# Altium PCB BLDC_DRIVER_backup.PcbDoc (continued)
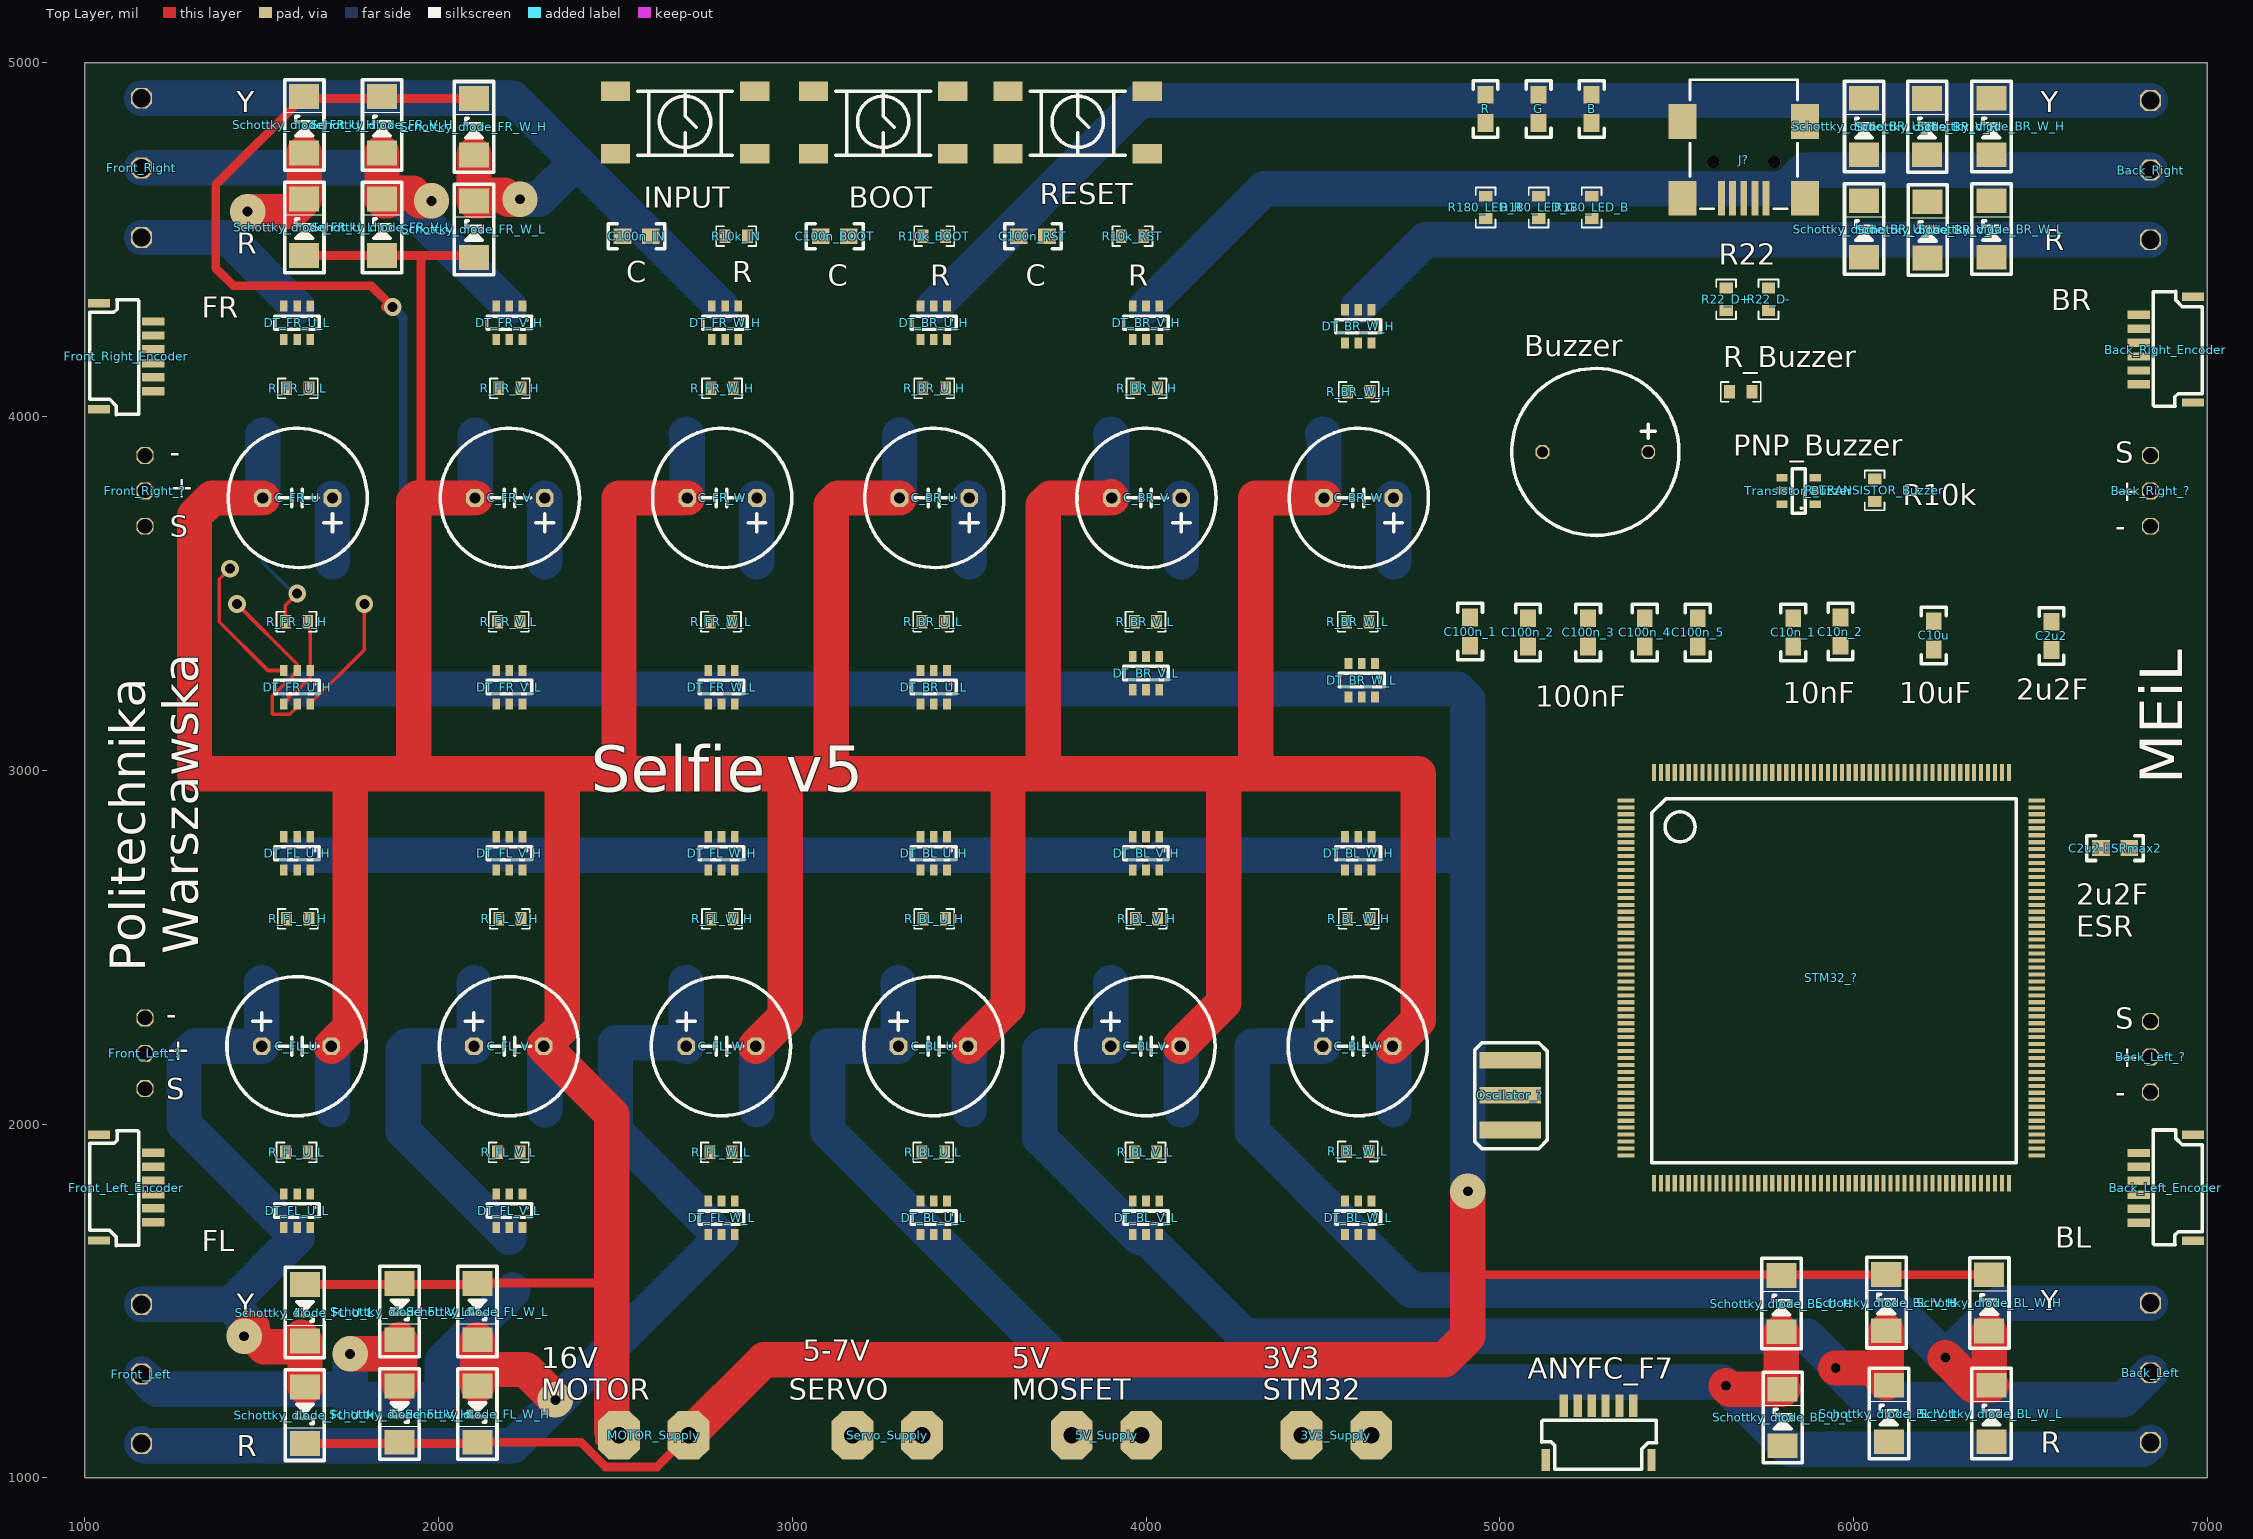
[diagram p0: Top Layer view]
## Components (designator, comment, footprint, x,y, rotation, side; value= is the part's Value field where it differs from the comment) (continued)
R_DT_BL_U_L "Res" R0603 5480,2800 r270 bottom
R_DT_BL_V_H "Res" R0603 5980,2350 r270 bottom
R_DT_BL_V_L "Res" R0603 5730,2800 r270 bottom
R_DT_BL_W_H "Res" R0603 5230,2800 r270 bottom
R_DT_BL_W_L "Res" R0603 5980,2800 r270 bottom
R_DT_BR_U_H "Res" R0603 5730,3700 r270 bottom
R_DT_BR_U_L "Res" R0603 5480,4150 r270 bottom
R_DT_BR_V_H "Res" R0603 5980,3700 r270 bottom
R_DT_BR_V_L "Res" R0603 5730,4150 r270 bottom
R_DT_BR_W_H "Res" R0603 5230,4150 r270 bottom
R_DT_BR_W_L "Res" R0603 5980,4150 r270 bottom
R_DT_FL_U_H "Res" R0603 5230,1900 r270 bottom
R_DT_FL_U_L "Res" R0603 5980,1900 r270 bottom
R_DT_FL_V_H "Res" R0603 5480,1900 r270 bottom
R_DT_FL_V_L "Res" R0603 5230,2350 r270 bottom
R_DT_FL_W_H "Res" R0603 5730,1900 r270 bottom
R_DT_FL_W_L "Res" R0603 5480,2350 r270 bottom
R_DT_FR_U_H "Res" R0603 5480,3240 r270 bottom
R_DT_FR_U_L "Res" R0603 5230,3240 r270 bottom
R_DT_FR_V_H "Res" R0603 5730,3240 r270 bottom
R_DT_FR_V_L "Res" R0603 5230,3700 r270 bottom
R_DT_FR_W_H "Res" R0603 5980,3240 r270 bottom
R_DT_FR_W_L "Res" R0603 5480,3700 r270 bottom
R_FL_U_H "Res" R0603 1570,2580 r0 top
R_FL_U_L "Res" R0603 1630,1920 r180 top
R_FL_V_H "Res" R0603 2170,2580 r0 top
R_FL_V_L "Res" R0603 2230,1920 r180 top
R_FL_W_H "Res" R0603 2770,2580 r0 top
R_FL_W_L "Res" R0603 2830,1920 r180 top
R_FR_U_H "Res" R0603 1630,3420 r180 top
R_FR_U_L "Res" R0603 1570,4080 r0 top
R_FR_V_H "Res" R0603 2170,4080 r0 top
R_FR_V_L "Res" R0603 2230,3420 r180 top
R_FR_W_H "Res" R0603 2770,4080 r0 top
R_FR_W_L "Res" R0603 2830,3420 r180 top
R_TRANSISTOR_Buzzer "Res" R0603 6060,3760 r90 top
RESET "Tact_Switch" "LSH Gullwing" 3610,4920 r180 top
Schottky_diode_BL_U_H "Schottky_diode" DO-214AC 5796.38,1571.93 r90 top
Schottky_diode_BL_U_L "Schottky_diode" DO-214AC 5800,1250 r90 top
Schottky_diode_BL_V_H "Schottky_diode" DO-214AC 6092.91,1574.64 r90 top
Schottky_diode_BL_V_L "Schottky_diode" DO-214AC 6100.19,1261.14 r90 top
Schottky_diode_BL_W_H "Schottky_diode" DO-214AC 6383.89,1573.85 r90 top
Schottky_diode_BL_W_L "Schottky_diode" DO-214AC 6390.19,1261.14 r90 top
Schottky_diode_BR_U_H "Schottky_diode" DO-214AC 6030,4900 r90 top
Schottky_diode_BR_U_L "Schottky_diode" DO-214AC 6030,4610 r90 top
Schottky_diode_BR_V_H "Schottky_diode" DO-214AC 6208.19,4899.49 r90 top
Schottky_diode_BR_V_L "Schottky_diode" DO-214AC 6210,4607.68 r90 top
Schottky_diode_BR_W_H "Schottky_diode" DO-214AC 6390,4900 r90 top
Schottky_diode_BR_W_L "Schottky_diode" DO-214AC 6390,4610 r90 top
Schottky_diode_FL_U_H "Schottky_diode" DO-214AC 1622.13,1096.57 r270 top
Schottky_diode_FL_U_L "Schottky_diode" DO-214AC 1622.13,1386.57 r270 top
Schottky_diode_FL_V_H "Schottky_diode" DO-214AC 1890,1100 r270 top
Schottky_diode_FL_V_L "Schottky_diode" DO-214AC 1890,1390 r270 top
Schottky_diode_FL_W_H "Schottky_diode" DO-214AC 2110,1100 r270 top
Schottky_diode_FL_W_L "Schottky_diode" DO-214AC 2110,1390 r270 top
Schottky_diode_FR_U_H "Schottky_diode" DO-214AC 1620,4905 r90 top
Schottky_diode_FR_U_L "Schottky_diode" DO-214AC 1620,4615 r90 top
Schottky_diode_FR_V_H "Schottky_diode" DO-214AC 1840,4905 r90 top
Schottky_diode_FR_V_L "Schottky_diode" DO-214AC 1840,4615 r90 top
Schottky_diode_FR_W_H "Schottky_diode" DO-214AC 2100,4899.45 r90 top
Schottky_diode_FR_W_L "Schottky_diode" DO-214AC 2100,4609.45 r90 top
Servo_Supply "2-pin" 2-pin-zielony-kat 3170,1120 r0 top
STM32_? "STM32F769BGT6-SELFIE" LQFP208 5430,2970 r0 top
TO1 "HCPL-090J" SOIC-16 6670,1760 r180 bottom
TO2 "HCPL-090J" SOIC-16 6670,2210 r180 bottom
TO3 "HCPL-090J" SOIC-16 6670,2660 r180 bottom
TO4 "HCPL-090J" SOIC-16 6670,3100 r180 bottom
TO5 "HCPL-090J" SOIC-16 6670,3560 r180 bottom
TO6 "HCPL-090J" SOIC-16 6670,4010 r180 bottom
Transistor_Buzzer "PBSS4160DPN.115" SOT457 5780,3790 r90 top

## Footprints (in the part's own frame and the unit in brackets; to place one, negate y for a bottom-side part, rotate by r counter-clockwise, add the part's x,y. Pads: shape width x height; smd on the part's side, far side on the other; paste and mask are expansions set on the pad)
2-pin-zielony-kat [mm]
  oct 3x3.5 hole 1.2: 1(0,0) 2(5,0)
  body extent -3.5,-10.1 8.5,1.9, height 8.75
5mm [mil]
  oct 50x50 hole 32: 1(0,0) 2(196.85,0)
  silkscreen extent -98,-197 295,197, body extent -98,-197 295,197, height 787
0603 [mil]
  rect 50x45 smd: 1(0,0) 2(80,0)
  silkscreen extent -40,-35 120,35, body extent 9,-17 72,17, height 33
65100516121 [mm] "Mini USB 2.0 Type B SMT Horizontal 5 Contacts"
  rect 0.5x2.5 smd: 1(-1.6,3.875) 2(-0.8,3.875) 3(0,3.875) 4(0.8,3.875) 5(1.6,3.875)
  round 0.9 hole 0.9 unplated: MH1(-2.2,1.275) MH2(2.2,1.275)
  rect 2x2.5 smd: Shell(-4.4,3.875) Shell(-4.4,-1.625) Shell(4.4,3.875) Shell(4.4,-1.625)
  silkscreen extent -3.85,-4.62 3.85,4.62, body extent -4.8,-4.62 4.8,4.63, height 3.92
Buzzer_LOUDITY [mm]
  oct 1x1 hole 0.8: 1(-7.6,0) 2(0,0)
  silkscreen extent -9.8,-6 2.2,6, body extent -9.8,-6 5.65,6, height 9.65
CSTCC8M00G53-R0 [mm]
  rect 1.2x4.4 smd: 1(0,0) 2(2.5,0) 3(5,0)
  silkscreen extent -1.27,-2.54 6.35,2.67, body extent -1.06,-1.52 6.14,1.48, height 1.25
DG300-5.0-03P-12-00A [mm]
  oct 1.5x1.5 hole 1.3: 1(0,0) 2(5,0) 3(10,0)
  body extent -2.5,-4 12.5,5, height 12.6
DO-214AC [mm]
  rect 1.78x2.16 smd: 1(-4.05,0) 2(0,0)
  Top Layer lines w0.051: -1.143,-1.524 -1.092,-1.575
  silkscreen extent -5.28,-1.52 1.22,1.4, body extent -4.55,-1.43 0.45,1.27, height 2.33
"JST SR SH 1.0" [mm]
  rect 0.6x1.6 smd: 1(1.3,3.9) 2(2.3,3.9) 3(3.3,3.9) 4(4.3,3.9) 5(5.3,3.9) 6(6.3,3.9) 7(7.6,0) 8(0,0)
  silkscreen extent -0.28,-0.66 7.98,2.84, body extent -0.16,-0.66 7.84,4.29, height 2.9
LQFP208 [mm]
  rect 1.2x0.3 smd: 1(-1.85,-1.4) 2(-1.85,-1.9) 3(-1.85,-2.4) 4(-1.85,-2.9) 5(-1.85,-3.4) 6(-1.85,-3.9) 7(-1.85,-4.4) 8(-1.85,-4.9) 9(-1.85,-5.4) 10(-1.85,-5.9) 11(-1.85,-6.4) 12(-1.85,-6.9) 13(-1.85,-7.4) 14(-1.85,-7.9) 15(-1.85,-8.4) 16(-1.85,-8.9) 17(-1.85,-9.4) 18(-1.85,-9.9) 19(-1.85,-10.4) 20(-1.85,-10.9) 21(-1.85,-11.4) 22(-1.85,-11.9) 23(-1.85,-12.4) 24(-1.85,-12.9) 25(-1.85,-13.4) 26(-1.85,-13.9) 27(-1.85,-14.4) 28(-1.85,-14.9) 29(-1.85,-15.4) 30(-1.85,-15.9) 31(-1.85,-16.4) 32(-1.85,-16.9) 33(-1.85,-17.4) 34(-1.85,-17.9) 35(-1.85,-18.4) 36(-1.85,-18.9) 37(-1.85,-19.4) 38(-1.85,-19.9) 39(-1.85,-20.4) 40(-1.85,-20.9) 41(-1.85,-21.4) 42(-1.85,-21.9) 43(-1.85,-22.4) 44(-1.85,-22.9) 45(-1.85,-23.4) 46(-1.85,-23.9) 47(-1.85,-24.4) 48(-1.85,-24.9) 49(-1.85,-25.4) 50(-1.85,-25.9) 51(-1.85,-26.4) 52(-1.85,-26.9) 105(27.65,-26.9) 106(27.65,-26.4) 107(27.65,-25.9) 108(27.65,-25.4) 109(27.65,-24.9) 110(27.65,-24.4) 111(27.65,-23.9) 112(27.65,-23.4) 113(27.65,-22.9) 114(27.65,-22.4) 115(27.65,-21.9) 116(27.65,-21.4) 117(27.65,-20.9) 118(27.65,-20.4) 119(27.65,-19.9) 120(27.65,-19.4) 121(27.65,-18.9) 122(27.65,-18.4) 123(27.65,-17.9) 124(27.65,-17.4) 125(27.65,-16.9) 126(27.65,-16.4) 127(27.65,-15.9) 128(27.65,-15.4) 129(27.65,-14.9) 130(27.65,-14.4) 131(27.65,-13.9) 132(27.65,-13.4) 133(27.65,-12.9) 134(27.65,-12.4) 135(27.65,-11.9) 136(27.65,-11.4) 137(27.65,-10.9) 138(27.65,-10.4) 139(27.65,-9.9) 140(27.65,-9.4) 141(27.65,-8.9) 142(27.65,-8.4) 143(27.65,-7.9) 144(27.65,-7.4) 145(27.65,-6.9) 146(27.65,-6.4) 147(27.65,-5.9) 148(27.65,-5.4) 149(27.65,-4.9) 150(27.65,-4.4) 151(27.65,-3.9) 152(27.65,-3.4) 153(27.65,-2.9) 154(27.65,-2.4) 155(27.65,-1.9) 156(27.65,-1.4)
  rect 0.3x1.2 smd: 53(0.15,-28.9) 54(0.65,-28.9) 55(1.15,-28.9) 56(1.65,-28.9) 57(2.15,-28.9) 58(2.65,-28.9) 59(3.15,-28.9) 60(3.65,-28.9) 61(4.15,-28.9) 62(4.65,-28.9) 63(5.15,-28.9) 64(5.65,-28.9) 65(6.15,-28.9) 66(6.65,-28.9) 67(7.15,-28.9) 68(7.65,-28.9) 69(8.15,-28.9) 70(8.65,-28.9) 71(9.15,-28.9) 72(9.65,-28.9) 73(10.15,-28.9) 74(10.65,-28.9) 75(11.15,-28.9) 76(11.65,-28.9) 77(12.15,-28.9) 78(12.65,-28.9) 79(13.15,-28.9) 80(13.65,-28.9) 81(14.15,-28.9) 82(14.65,-28.9) 83(15.15,-28.9) 84(15.65,-28.9) 85(16.15,-28.9) 86(16.65,-28.9) 87(17.15,-28.9) 88(17.65,-28.9) 89(18.15,-28.9) 90(18.65,-28.9) 91(19.15,-28.9) 92(19.65,-28.9) 93(20.15,-28.9) 94(20.65,-28.9) 95(21.15,-28.9) 96(21.65,-28.9) 97(22.15,-28.9) 98(22.65,-28.9) 99(23.15,-28.9) 100(23.65,-28.9) 101(24.15,-28.9) 102(24.65,-28.9) 103(25.15,-28.9) 104(25.65,-28.9) 157(25.65,0.6) 158(25.15,0.6) 159(24.65,0.6) 160(24.15,0.6) 161(23.65,0.6) 162(23.15,0.6) 163(22.65,0.6) 164(22.15,0.6) 165(21.65,0.6) 166(21.15,0.6) 167(20.65,0.6) 168(20.15,0.6) 169(19.65,0.6) 170(19.15,0.6) 171(18.65,0.6) 172(18.15,0.6) 173(17.65,0.6) 174(17.15,0.6) 175(16.65,0.6) 176(16.15,0.6) 177(15.65,0.6) 178(15.15,0.6) 179(14.65,0.6) 180(14.15,0.6) 181(13.65,0.6) 182(13.15,0.6) 183(12.65,0.6) 184(12.15,0.6) 185(11.65,0.6) 186(11.15,0.6) 187(10.65,0.6) 188(10.15,0.6) 189(9.65,0.6) 190(9.15,0.6) 191(8.65,0.6) 192(8.15,0.6) 193(7.65,0.6) 194(7.15,0.6) 195(6.65,0.6) 196(6.15,0.6) 197(5.65,0.6) 198(5.15,0.6) 199(4.65,0.6) 200(4.15,0.6) 201(3.65,0.6) 202(3.15,0.6) 203(2.65,0.6) 204(2.15,0.6) 205(1.65,0.6) 206(1.15,0.6) 207(0.65,0.6) 208(0.15,0.6)
  silkscreen extent 0,-27.43 26.16,-1.27, body extent -1.84,-28.92 27.66,0.58, height 1.39
"LSH Gullwing" [mm]
  rect 2.1x1.4 smd: 1(-10,4.5) 2(0,4.5) 3(-10,0) 4(0,0)
  silkscreen extent -8.4,0 -1.6,4.6, body extent -10,-0.75 0,5.25, height 4.97
R0603 [mil]
  rect 31x38 smd: 1(0,0) 2(63,0)
  silkscreen extent -25,-28 88,28, body extent -1,-17 62,17, height 19
Raster_2.54_corner_3pin [mm]
  oct 1.22x1.22 hole 1.05: 1(0,0) 2(2.54,0) 3(5.08,0)
  body extent -1.27,-10.84 6.35,0.27, height 3.79
SOIC-16 [mm]
  rect 0.72x1.78 smd: 1(0.11,-0.46) 2(1.38,-0.46) 3(2.65,-0.46) 4(3.92,-0.46) 5(5.19,-0.46) 6(6.46,-0.46) 7(7.73,-0.46) 8(9,-0.46) 9(9,6) 10(7.73,6) 11(6.46,6) 12(5.19,6) 13(3.92,6) 14(2.65,6) 15(1.38,6) 16(0.11,6)
  silkscreen extent -0.53,0.79 9.63,4.73, body extent -0.5,-0.3 9.7,5.7, height 1.7
SOT457 [mm]
  rect 0.55x0.8 smd: 1(-0.95,-2.85) 2(0,-2.85) 3(0.95,-2.85) 4(0.95,-0.45) 5(0,-0.45) 6(-0.95,-0.45)
  silkscreen extent -1.6,-2.13 1.6,-1.18, body extent -1.45,-3.05 1.45,-0.25, height 1.23
TO-263 [mm]
  rect 10.8x9.4 smd: D(-2.54,9.15)
  rect 1.35x4.6 smd: G(-5.08,0) S(0,0)
  silkscreen extent -8.89,-3.05 3.81,14.48, body extent -7.54,-1.94 2.46,13.73, height 4.83

## Part data
J?: "Mini USB 2.0 Type B Receptacle WR-COM, Horizontal, SMT, with Pads and Pegs"

## Via types
v1: diameter 100, hole 28, Top Layer to Bottom Layer, 7 vias
v2: diameter 50, hole 28, Top Layer to Bottom Layer, 5 vias
v3: diameter 28, hole 28, Top Layer to Bottom Layer, 3 vias

## Nets (pads, with @x,y where several pads share a name; then routed paths per layer and width w, separated by ;. In a path a pad name is that pad's centre, name@x,y a point inside that pad or via, vN(x,y) a via of type N, cw(c..) or ccw(c..) an arc to the next point about the centre after c; other vN are vias at no path point)
3V3: 3V3_Supply.2 ANYFC_F7.1 Back_Left_Encoder.1 Back_Right_Encoder.1 BOOT.3 BOOT.4 C2u2.2 C10n_1.2 C10n_2.2 C10u.2 C100n_1.2 C100n_2.2 C100n_3.2 C100n_4.2 C100n_5.2 C100n_BOOT.2 Front_Left_Encoder.1 Front_Right_Encoder.1 R10k_IN.2 R10k_RST.2 R_Buzzer.2 STM32_?.6 STM32_?.15 STM32_?.26 STM32_?.39 STM32_?.41 STM32_?.42 STM32_?.52 STM32_?.59 STM32_?.73 STM32_?.83 STM32_?.94 STM32_?.103 STM32_?.115 STM32_?.118 STM32_?.137 STM32_?.150 STM32_?.158 STM32_?.171 STM32_?.185 STM32_?.204 TO1.1 TO2.1 TO3.1 TO4.1 TO5.1 TO6.1
GND_3V3: 3V3_Supply.1 ANYFC_F7.2 B.2 Back_Left_Encoder.2 Back_Right_Encoder.2 C2u2.1 C10n_1.1 C10n_2.1 C10u.1 C100n_1.1 C100n_2.1 C100n_3.1 C100n_4.1 C100n_5.1 C100n_IN.2 C100n_RST.2 Front_Left_Encoder.2 Front_Right_Encoder.2 G.2 INPUT.3 INPUT.4 J?.5 Oscilator_?.2 R10k_BOOT.2 R.2 RESET.3 RESET.4 STM32_?.14 STM32_?.25 STM32_?.40 STM32_?.51 STM32_?.60 STM32_?.72 STM32_?.82 STM32_?.93 STM32_?.114 STM32_?.122 STM32_?.128 STM32_?.136 STM32_?.149 STM32_?.170 STM32_?.184 STM32_?.202 TO1.2 TO1.8 TO2.2 TO2.8 TO3.2 TO3.8 TO4.2 TO4.8 TO5.2 TO5.8 TO6.2 TO6.8 Transistor_Buzzer.1
GND_5V: 5V_Supply.1 DT_BL_U_H.3 DT_BL_U_L.3 DT_BL_V_H.3 DT_BL_V_L.3 DT_BL_W_H.3 DT_BL_W_L.3 DT_BR_U_H.3 DT_BR_U_L.3 DT_BR_V_H.3 DT_BR_V_L.3 DT_BR_W_H.3 DT_BR_W_L.3 DT_FL_U_H.3 DT_FL_U_L.3 DT_FL_V_H.3 DT_FL_V_L.3 DT_FL_W_H.3 DT_FL_W_L.3 DT_FR_U_H.3 DT_FR_U_L.3 DT_FR_V_H.3 DT_FR_V_L.3 DT_FR_W_H.3 DT_FR_W_L.3 TO1.9 TO1.15 TO2.9 TO2.15 TO3.9 TO3.15 TO4.9 TO4.15 TO5.9 TO5.15 TO6.9 TO6.15 | length 402.1
  Top Layer w10: v2(1410,3570) 1380,3540 1380,3420 1517.8,3282.2 DT_FR_U_H.3
GND_MOTOR: C_BL_U.2 C_BL_V.2 C_BL_W.2 C_BR_U.2 C_BR_V.2 C_BR_W.2 C_FL_U.2 C_FL_V.2 C_FL_W.2 C_FR_U.2 C_FR_V.2 C_FR_W.2 MOSFET_BL_U_L.S MOSFET_BL_V_L.S MOSFET_BL_W_L.S MOSFET_BR_U_L.S MOSFET_BR_V_L.S MOSFET_BR_W_L.S MOSFET_FL_U_L.S MOSFET_FL_V_L.S MOSFET_FL_W_L.S MOSFET_FR_U_L.S MOSFET_FR_V_L.S MOSFET_FR_W_L.S MOTOR_Supply.1 Schottky_diode_BL_U_L.1 Schottky_diode_BL_V_L.1 Schottky_diode_BL_W_L.1 Schottky_diode_BR_U_L.1 Schottky_diode_BR_V_L.1 Schottky_diode_BR_W_L.1 Schottky_diode_FL_U_L.1 Schottky_diode_FL_V_L.1 Schottky_diode_FL_W_L.1 Schottky_diode_FR_U_L.1 Schottky_diode_FR_V_L.1 Schottky_diode_FR_W_L.1 | length 19467.7
  Top Layer w25: Schottky_diode_FL_U_L.1@1618.7,1549.45 Schottky_diode_FL_U_L.1 2106.57,1546.02 Schottky_diode_FL_W_L.1 2110.55,1550 2490,1550 ; Schottky_diode_FR_U_L.1 Schottky_diode_FR_V_L.1 1950,4455.55 ; 1930,3760 1940,3770 1950,3780 1950,4455.55 ; Schottky_diode_FR_W_L.1 2094.45,4455.55 1950,4455.55 ; MOTOR_Supply.1@2453.98,1103.98 MOTOR_Supply.1@2470,1120 ; MOTOR_Supply.1@2490,1130.55 2499.45,1130.55 MOTOR_Supply.1
  Top Layer w100: C_FR_U.2 1360,3770 1310,3720 1310,2990 1750,2990 ; C_FL_U.2 1750,2273.15 1750,2990 ; 1930,2990 1930,3760 ; 1940,3770 C_FR_V.2 ; MOTOR_Supply.1@2490,1130.55 2490,1550 2490,2026.85 C_FL_V.2 2350,2273.15 2350,2990 ; C_FR_W.2 2510,3770 2510,2990 ; C_FL_W.2 2980,2303.15 2980,2990 ; C_BR_U.2 3130,3770 3110,3750 3110,2990 ; C_BL_U.2 3610,2333.15 3610,2990 ; C_BR_V.2@3900,3773.15 C_BR_V.2 3730,3770 3710,3750 3710,2990 ; C_BL_V.2 4220,2343.15 4220,2990 ; C_BR_W.2 4310,3770 4310,2990 ; C_BL_W.2 4770,2293.15 4770,2990 4310,2990 ; 1750,2990 2350,2990 ; 2350,2990 2510,2990 ; 2510,2990 2980,2990 ; 2980,2990 3110,2990 ; 3110,2990 3610,2990 ; 3610,2990 3710,2990 ; 3710,2990 4220,2990 ; 4220,2990 4310,2990
  Bottom Layer w100: C_FR_U.2 MOSFET_FR_U_L.S@1503.15,3946.85 ; C_FL_U.2 1700,2216.85 MOSFET_FL_U_L.S ; C_FR_V.2 MOSFET_FR_V_L.S@2103.15,3946.85 ; C_FL_V.2 2300,2216.85 MOSFET_FL_V_L.S ; MOSFET_FR_W_L.S 2703.15,3946.85 C_FR_W.2 ; MOSFET_FL_W_L.S C_FL_W.2@2900,2216.85 ; C_BR_U.2 MOSFET_BR_U_L.S@3303.15,3946.85 ; C_BL_U.2 3500,2216.85 MOSFET_BL_U_L.S ; MOSFET_BR_V_L.S 3903.15,3946.85 C_BR_V.2 ; C_BL_V.2 4100,2216.85 MOSFET_BL_V_L.S ; MOSFET_BR_W_L.S 4503.15,3946.85 C_BR_W.2 ; MOSFET_BL_W_L.S C_BL_W.2@4700,2216.85
GND_SERVO: Back_Left_?.1 Back_Right_?.1 Front_Left_?.1 Front_Right_?.1 Servo_Supply.1
NetANYFC_F7_3: ANYFC_F7.3 STM32_?.30
NetANYFC_F7_4: ANYFC_F7.4 STM32_?.29
NetANYFC_F7_5: ANYFC_F7.5 STM32_?.28
NetANYFC_F7_6: ANYFC_F7.6 STM32_?.27
NetB_1: B.1 R180_LED_B.2
NetBack_Left_1: Back_Left.1 C_BL_U.1 MOSFET_BL_U_H.S MOSFET_BL_U_L.D Schottky_diode_BL_U_H.1 Schottky_diode_BL_U_L.2 | length 5069.3
  Top Layer w100: v3(5640,1260) 5650,1250 Schottky_diode_BL_U_L.2 5796.38,1253.62 Schottky_diode_BL_U_H.1
  Bottom Layer w100: MOSFET_BL_U_H.S C_BL_U.1 3100,2220 3100,1979.76 MOSFET_BL_U_L.D 3809.76,1270 5630,1270 v3(5640,1260) 5820,1080 6820,1080 Back_Left.1
NetBack_Left_2: Back_Left.2 C_BL_V.1 MOSFET_BL_V_H.S MOSFET_BL_V_L.D Schottky_diode_BL_V_H.1 Schottky_diode_BL_V_L.2 | length 4415.3
  Top Layer w100: v3(5950,1310) 6051.33,1310 6092.91,1268.42 Schottky_diode_BL_V_H.1
  Bottom Layer w100: MOSFET_BL_V_H.S C_BL_V.1 3710,2220 3700,2210 3700,1960 3980.24,1679.76 MOSFET_BL_V_L.D 4279.76,1400 5870,1400 v3@5950,1320 ; v3(5950,1310) 6040,1220 6763.15,1220 Back_Left.2
NetBack_Left_3: Back_Left.3 C_BL_W.1 MOSFET_BL_W_H.S MOSFET_BL_W_L.D Schottky_diode_BL_W_H.1 Schottky_diode_BL_W_L.2 | length 3807.6
  Top Layer w100: v3(6260,1340) 6338.86,1261.14 Schottky_diode_BL_W_L.2 6383.89,1267.44 Schottky_diode_BL_W_H.1
  Bottom Layer w100: MOSFET_BL_W_H.S C_BL_W.1 4300,2220 4300,1979.76 MOSFET_BL_W_L.D 4749.76,1530 6070,1530 v3(6260,1340) 6413.7,1493.7 Back_Left.3
NetBack_Left_?_3: Back_Left_?.3 STM32_?.96
NetBack_Left_Encoder_3: Back_Left_Encoder.3 STM32_?.63
NetBack_Left_Encoder_4: Back_Left_Encoder.4 STM32_?.162
NetBack_Left_Encoder_5: Back_Left_Encoder.5 STM32_?.161
NetBack_Left_Encoder_6: Back_Left_Encoder.6 STM32_?.160
NetBack_Right_1: Back_Right.1 C_BR_W.1 MOSFET_BR_W_H.S MOSFET_BR_W_L.D Schottky_diode_BR_W_H.1 Schottky_diode_BR_W_L.2 | length 2498.6
  Bottom Layer w100: MOSFET_BR_W_L.D 4789.76,4500 Back_Right.1 ; MOSFET_BR_W_H.S C_BR_W.1
NetBack_Right_2: Back_Right.2 C_BR_V.1 MOSFET_BR_V_H.S MOSFET_BR_V_L.D Schottky_diode_BR_V_H.1 Schottky_diode_BR_V_L.2 | length 3180.1
  Bottom Layer w100: MOSFET_BR_V_L.D 4333.85,4644.09 5807.98,4644.09 5860.74,4696.85 Back_Right.2 ; MOSFET_BR_V_H.S C_BR_V.1
NetBack_Right_3: Back_Right.3 C_BR_U.1 MOSFET_BR_U_H.S MOSFET_BR_U_L.D Schottky_diode_BR_U_H.1 Schottky_diode_BR_U_L.2 | length 3861.7
  Bottom Layer w100: MOSFET_BR_U_L.D 3983.46,4893.7 Back_Right.3 ; MOSFET_BR_U_H.S C_BR_U.1
NetBack_Right_?_3: Back_Right_?.3 STM32_?.99
NetBack_Right_Encoder_3: Back_Right_Encoder.3 STM32_?.5
NetBack_Right_Encoder_4: Back_Right_Encoder.4 STM32_?.4
NetBack_Right_Encoder_5: Back_Right_Encoder.5 STM32_?.1
NetBack_Right_Encoder_6: Back_Right_Encoder.6 STM32_?.3
NetBOOT_1: BOOT.1 BOOT.2 C100n_BOOT.1 R10k_BOOT.1 STM32_?.197
NetBuzzer_1: Buzzer.1 Transistor_Buzzer.6
NetBuzzer_2: Buzzer.2 R_Buzzer.1
NetC2u2-ESRmax2_1: C2u2-ESRmax2.1 STM32_?.148
NetC2u2-ESRmax2_2: C2u2-ESRmax2.2 STM32_?.92
NetC100n_IN_1: C100n_IN.1 INPUT.1 INPUT.2 R10k_IN.1 STM32_?.48
NetC100n_RST_1: C100n_RST.1 R10k_RST.1 RESET.1 RESET.2 STM32_?.34
NetC_FL_U_1: C_FL_U.1 Front_Left.1 MOSFET_FL_U_H.S MOSFET_FL_U_L.D Schottky_diode_FL_U_H.1 Schottky_diode_FL_U_L.2 | length 2029.4
  Top Layer w100: v1@1473.98,1423.98 v1(1450,1400) 1476.84,1400 1506.26,1370.57 1584.56,1370.57 Schottky_diode_FL_U_L.2@1611.35,1397.35 ; Schottky_diode_FL_U_H.1 Schottky_diode_FL_U_L.2
  Bottom Layer w100: Front_Left.1 1410.24,1490 ; v1(1450,1400) 1450,1450.24 1410.24,1490 ; MOSFET_FL_U_H.S C_FL_U.1 1310,2220 1280,2190 1280,1999.76 MOSFET_FL_U_L.D 1410.24,1490
NetC_FL_V_1: C_FL_V.1 Front_Left.2 MOSFET_FL_V_H.S MOSFET_FL_V_L.D Schottky_diode_FL_V_H.1 Schottky_diode_FL_V_L.2 | length 2716.2
  Top Layer w100: v1(1750,1350) 1850,1350 Schottky_diode_FL_V_L.2 Schottky_diode_FL_V_H.1
  Bottom Layer w100: Front_Left.2 1203.15,1250 1750,1250 ; v1(1750,1350) 1750,1250 ; MOSFET_FL_V_H.S C_FL_V.1 1910,2220 1900,2210 1900,1979.76 MOSFET_FL_V_L.D ; MOSFET_FL_V_L.D@2210,1529.76 2010,1329.76 2010,1220 1750,1220 1750,1250
NetC_FL_W_1: C_FL_W.1 Front_Left.3 MOSFET_FL_W_H.S MOSFET_FL_W_L.D Schottky_diode_FL_W_H.1 Schottky_diode_FL_W_L.2 | length 3261.6
  Top Layer w100: Schottky_diode_FL_W_H.1 Schottky_diode_FL_W_L.2 ; 2181.56,1306 2246.44,1306 2330,1222.44 v1(2330,1220)
  Bottom Layer w100: Front_Left.3 1166.3,1090 2210.24,1090 MOSFET_FL_W_L.D 2500,1979.76 2500,2230 2690,2230 C_FL_W.1 MOSFET_FL_W_H.S
NetC_FR_U_1: C_FR_U.1 Front_Right.3 MOSFET_FR_U_H.S MOSFET_FR_U_L.D Schottky_diode_FR_U_H.1 Schottky_diode_FR_U_L.2 | length 1006.3
  Top Layer w100: v1(1460,4580) 1585,4580 Schottky_diode_FR_U_L.2 Schottky_diode_FR_U_H.1
  Bottom Layer w100: Front_Right.3 1403.94,4506.3 MOSFET_FR_U_L.D ; MOSFET_FR_U_H.S C_FR_U.1
NetC_FR_V_1: C_FR_V.1 Front_Right.2 MOSFET_FR_V_H.S MOSFET_FR_V_L.D Schottky_diode_FR_V_H.1 Schottky_diode_FR_V_L.2 | length 1744.4
  Top Layer w100: Schottky_diode_FR_V_H.1 Schottky_diode_FR_V_L.2 1845,4610 1856.56,4610 1856.56,4631 1926.44,4631 1947.44,4610 v1(1980,4610)
  Bottom Layer w100: Front_Right.2 1807.09,4703.15 1935.12,4575.12 ; v1(1980,4610) 1970,4610 1935.12,4575.12 ; MOSFET_FR_V_L.D 1935.12,4575.12 ; MOSFET_FR_V_H.S C_FR_V.1
NetC_FR_W_1: C_FR_W.1 Front_Right.1 MOSFET_FR_W_H.S MOSFET_FR_W_L.D Schottky_diode_FR_W_H.1 Schottky_diode_FR_W_L.2 | length 2549.2
  Top Layer w100: Schottky_diode_FR_W_H.1 Schottky_diode_FR_W_L.2 2121.56,4609.45 2121.56,4625.45 2186.44,4625.45 2197.44,4614.45 v1(2230,4614.45)
  Bottom Layer w100: Front_Right.1 2210.24,4900 2390,4720.24 ; v1(2230,4614.45) 2284.21,4614.45 2390,4720.24 ; MOSFET_FR_W_L.D 2390,4720.24 ; MOSFET_FR_W_H.S C_FR_W.1
NetDT_BL_U_H_1: DT_BL_U_H.1 DT_BL_U_H.4 R_BL_U_H.1
NetDT_BL_U_H_2: DT_BL_U_H.2 DT_BL_U_H.5 R_DT_BL_U_H.2
NetDT_BL_U_L_1: DT_BL_U_L.1 DT_BL_U_L.4 R_BL_U_L.1
NetDT_BL_U_L_2: DT_BL_U_L.2 DT_BL_U_L.5 R_DT_BL_U_L.2
NetDT_BL_V_H_1: DT_BL_V_H.1 DT_BL_V_H.4 R_BL_V_H.1
NetDT_BL_V_H_2: DT_BL_V_H.2 DT_BL_V_H.5 R_DT_BL_V_H.2
NetDT_BL_V_L_1: DT_BL_V_L.1 DT_BL_V_L.4 R_BL_V_L.1
NetDT_BL_V_L_2: DT_BL_V_L.2 DT_BL_V_L.5 R_DT_BL_V_L.2
NetDT_BL_W_H_1: DT_BL_W_H.1 DT_BL_W_H.4 R_BL_W_H.1
NetDT_BL_W_H_2: DT_BL_W_H.2 DT_BL_W_H.5 R_DT_BL_W_H.2
NetDT_BL_W_L_1: DT_BL_W_L.1 DT_BL_W_L.4 R_BL_W_L.1
NetDT_BL_W_L_2: DT_BL_W_L.2 DT_BL_W_L.5 R_DT_BL_W_L.2
NetDT_BR_U_H_1: DT_BR_U_H.1 DT_BR_U_H.4 R_BR_U_H.1
NetDT_BR_U_H_2: DT_BR_U_H.2 DT_BR_U_H.5 R_DT_BR_U_H.2
NetDT_BR_U_L_1: DT_BR_U_L.1 DT_BR_U_L.4 R_BR_U_L.1
NetDT_BR_U_L_2: DT_BR_U_L.2 DT_BR_U_L.5 R_DT_BR_U_L.2
NetDT_BR_V_H_1: DT_BR_V_H.1 DT_BR_V_H.4 R_BR_V_H.1
NetDT_BR_V_H_2: DT_BR_V_H.2 DT_BR_V_H.5 R_DT_BR_V_H.2
NetDT_BR_V_L_1: DT_BR_V_L.1 DT_BR_V_L.4 R_BR_V_L.1
NetDT_BR_V_L_2: DT_BR_V_L.2 DT_BR_V_L.5 R_DT_BR_V_L.2
NetDT_BR_W_H_1: DT_BR_W_H.1 DT_BR_W_H.4 R_BR_W_H.1
NetDT_BR_W_H_2: DT_BR_W_H.2 DT_BR_W_H.5 R_DT_BR_W_H.2
NetDT_BR_W_L_1: DT_BR_W_L.1 DT_BR_W_L.4 R_BR_W_L.1
NetDT_BR_W_L_2: DT_BR_W_L.2 DT_BR_W_L.5 R_DT_BR_W_L.2
NetDT_FL_U_H_1: DT_FL_U_H.1 DT_FL_U_H.4 R_FL_U_H.1
NetDT_FL_U_H_2: DT_FL_U_H.2 DT_FL_U_H.5 R_DT_FL_U_H.2
NetDT_FL_U_L_1: DT_FL_U_L.1 DT_FL_U_L.4 R_FL_U_L.1
NetDT_FL_U_L_2: DT_FL_U_L.2 DT_FL_U_L.5 R_DT_FL_U_L.2
NetDT_FL_V_H_1: DT_FL_V_H.1 DT_FL_V_H.4 R_FL_V_H.1
NetDT_FL_V_H_2: DT_FL_V_H.2 DT_FL_V_H.5 R_DT_FL_V_H.2
NetDT_FL_V_L_1: DT_FL_V_L.1 DT_FL_V_L.4 R_FL_V_L.1
NetDT_FL_V_L_2: DT_FL_V_L.2 DT_FL_V_L.5 R_DT_FL_V_L.2
NetDT_FL_W_H_1: DT_FL_W_H.1 DT_FL_W_H.4 R_FL_W_H.1
NetDT_FL_W_H_2: DT_FL_W_H.2 DT_FL_W_H.5 R_DT_FL_W_H.2
NetDT_FL_W_L_1: DT_FL_W_L.1 DT_FL_W_L.4 R_FL_W_L.1
NetDT_FL_W_L_2: DT_FL_W_L.2 DT_FL_W_L.5 R_DT_FL_W_L.2
NetDT_FR_U_H_1: DT_FR_U_H.1 DT_FR_U_H.4 R_FR_U_H.1 | length 274.7
  Top Layer w10: DT_FR_U_H.4@1560.31,3190 DT_FR_U_H.4 1576.17,3201.29 1576.17,3210 1577.32,3210 1583.79,3216.46 1591.35,3216.46 1637.4,3262.52 DT_FR_U_H.1 1637.4,3412.6 R_FR_U_H.1
NetDT_FR_U_H_2: DT_FR_U_H.2 DT_FR_U_H.5 R_DT_FR_U_H.2 | length 499.3
  Top Layer w10: v2(1430,3470) 1600,3300 DT_FR_U_H.2 1600,3280 1586.42,3266.42 1586.42,3261.07 1578.81,3253.46 1573.46,3253.46 1530,3210 1530,3160 1531.03,3158.97 1578.81,3158.97 1600,3180.16 DT_FR_U_H.5
NetDT_FR_U_L_1: DT_FR_U_L.1 DT_FR_U_L.4 R_FR_U_L.1
NetDT_FR_U_L_2: DT_FR_U_L.2 DT_FR_U_L.5 R_DT_FR_U_L.2
NetDT_FR_V_H_1: DT_FR_V_H.1 DT_FR_V_H.4 R_FR_V_H.1
NetDT_FR_V_H_2: DT_FR_V_H.2 DT_FR_V_H.5 R_DT_FR_V_H.2
NetDT_FR_V_L_1: DT_FR_V_L.1 DT_FR_V_L.4 R_FR_V_L.1
NetDT_FR_V_L_2: DT_FR_V_L.2 DT_FR_V_L.5 R_DT_FR_V_L.2
NetDT_FR_W_H_1: DT_FR_W_H.1 DT_FR_W_H.4 R_FR_W_H.1
NetDT_FR_W_H_2: DT_FR_W_H.2 DT_FR_W_H.5 R_DT_FR_W_H.2
NetDT_FR_W_L_1: DT_FR_W_L.1 DT_FR_W_L.4 R_FR_W_L.1
NetDT_FR_W_L_2: DT_FR_W_L.2 DT_FR_W_L.5 R_DT_FR_W_L.2
NetFront_Left_?_3: Front_Left_?.3 STM32_?.45
NetFront_Left_Encoder_3: Front_Left_Encoder.3 STM32_?.173
NetFront_Left_Encoder_4: Front_Left_Encoder.4 STM32_?.178
NetFront_Left_Encoder_5: Front_Left_Encoder.5 STM32_?.180
NetFront_Left_Encoder_6: Front_Left_Encoder.6 STM32_?.53
NetFront_Right_?_3: Front_Right_?.3 STM32_?.50
NetFront_Right_Encoder_3: Front_Right_Encoder.3 STM32_?.36
NetFront_Right_Encoder_4: Front_Right_Encoder.4 STM32_?.37
NetFront_Right_Encoder_5: Front_Right_Encoder.5 STM32_?.105
NetFront_Right_Encoder_6: Front_Right_Encoder.6 STM32_?.104
NetG_1: G.1 R180_LED_G.2
NetJ?_2: J?.2 R22_D-.2
NetJ?_3: J?.3 R22_D+.2
NetMOSFET_BL_U_H_G: MOSFET_BL_U_H.G R_BL_U_H.2
NetMOSFET_BL_U_L_G: MOSFET_BL_U_L.G R_BL_U_L.2
NetMOSFET_BL_V_H_G: MOSFET_BL_V_H.G R_BL_V_H.2
NetMOSFET_BL_V_L_G: MOSFET_BL_V_L.G R_BL_V_L.2
NetMOSFET_BL_W_H_G: MOSFET_BL_W_H.G R_BL_W_H.2
NetMOSFET_BL_W_L_G: MOSFET_BL_W_L.G R_BL_W_L.2
NetMOSFET_BR_U_H_G: MOSFET_BR_U_H.G R_BR_U_H.2
NetMOSFET_BR_U_L_G: MOSFET_BR_U_L.G R_BR_U_L.2
NetMOSFET_BR_V_H_G: MOSFET_BR_V_H.G R_BR_V_H.2
NetMOSFET_BR_V_L_G: MOSFET_BR_V_L.G R_BR_V_L.2
NetMOSFET_BR_W_H_G: MOSFET_BR_W_H.G R_BR_W_H.2
NetMOSFET_BR_W_L_G: MOSFET_BR_W_L.G R_BR_W_L.2
NetMOSFET_FL_U_H_G: MOSFET_FL_U_H.G R_FL_U_H.2
NetMOSFET_FL_U_L_G: MOSFET_FL_U_L.G R_FL_U_L.2
NetMOSFET_FL_V_H_G: MOSFET_FL_V_H.G R_FL_V_H.2
NetMOSFET_FL_V_L_G: MOSFET_FL_V_L.G R_FL_V_L.2
NetMOSFET_FL_W_H_G: MOSFET_FL_W_H.G R_FL_W_H.2
NetMOSFET_FL_W_L_G: MOSFET_FL_W_L.G R_FL_W_L.2
NetMOSFET_FR_U_H_G: MOSFET_FR_U_H.G R_FR_U_H.2 | length 230.9
  Top Layer w10: R_FR_U_H.2 1567,3467 1573.13,3473.13 v2(1600,3500)
  Bottom Layer w10: MOSFET_FR_U_H.G 1590,3500 v2(1600,3500)
NetMOSFET_FR_U_L_G: MOSFET_FR_U_L.G R_FR_U_L.2
NetMOSFET_FR_V_H_G: MOSFET_FR_V_H.G R_FR_V_H.2
NetMOSFET_FR_V_L_G: MOSFET_FR_V_L.G R_FR_V_L.2
NetMOSFET_FR_W_H_G: MOSFET_FR_W_H.G R_FR_W_H.2
NetMOSFET_FR_W_L_G: MOSFET_FR_W_L.G R_FR_W_L.2
NetOscilator_?_1: Oscilator_?.1 STM32_?.32
NetOscilator_?_3: Oscilator_?.3 STM32_?.33
NetR22_D+_1: R22_D+.1 STM32_?.146
NetR22_D-_1: R22_D-.1 STM32_?.145
NetR180_LED_B_1: R180_LED_B.1 STM32_?.194
NetR180_LED_G_1: R180_LED_G.1 STM32_?.193
NetR180_LED_R_1: R180_LED_R.1 STM32_?.192
NetR180_LED_R_2: R180_LED_R.2 R.1
NetR_DT_BL_U_H_1: R_DT_BL_U_H.1 TO2.13
NetR_DT_BL_U_L_1: R_DT_BL_U_L.1 TO3.12
NetR_DT_BL_V_H_1: R_DT_BL_V_H.1 TO2.14
NetR_DT_BL_V_L_1: R_DT_BL_V_L.1 TO3.13
NetR_DT_BL_W_H_1: R_DT_BL_W_H.1 TO3.11
NetR_DT_BL_W_L_1: R_DT_BL_W_L.1 TO3.14
NetR_DT_BR_U_H_1: R_DT_BR_U_H.1 TO5.13
NetR_DT_BR_U_L_1: R_DT_BR_U_L.1 TO6.12
NetR_DT_BR_V_H_1: R_DT_BR_V_H.1 TO5.14
NetR_DT_BR_V_L_1: R_DT_BR_V_L.1 TO6.13
NetR_DT_BR_W_H_1: R_DT_BR_W_H.1 TO6.11
NetR_DT_BR_W_L_1: R_DT_BR_W_L.1 TO6.14
NetR_DT_FL_U_H_1: R_DT_FL_U_H.1 TO1.11
NetR_DT_FL_U_L_1: R_DT_FL_U_L.1 TO1.14
NetR_DT_FL_V_H_1: R_DT_FL_V_H.1 TO1.12
NetR_DT_FL_V_L_1: R_DT_FL_V_L.1 TO2.11
NetR_DT_FL_W_H_1: R_DT_FL_W_H.1 TO1.13
NetR_DT_FL_W_L_1: R_DT_FL_W_L.1 TO2.12
NetR_DT_FR_U_H_1: R_DT_FR_U_H.1 TO4.11
NetR_DT_FR_U_L_1: R_DT_FR_U_L.1 TO4.14
NetR_DT_FR_V_H_1: R_DT_FR_V_H.1 TO4.12
NetR_DT_FR_V_L_1: R_DT_FR_V_L.1 TO5.11
NetR_DT_FR_W_H_1: R_DT_FR_W_H.1 TO4.13
NetR_DT_FR_W_L_1: R_DT_FR_W_L.1 TO5.12
NetR_TRANSISTOR_Buzzer_1: R_TRANSISTOR_Buzzer.1 STM32_?.195
NetR_TRANSISTOR_Buzzer_2: R_TRANSISTOR_Buzzer.2 Transistor_Buzzer.2
NetSTM32_?_44: STM32_?.44 TO2.5
NetSTM32_?_54: STM32_?.54 TO2.6
NetSTM32_?_55: STM32_?.55 TO3.6
NetSTM32_?_56: STM32_?.56 TO3.5
NetSTM32_?_61: STM32_?.61 TO3.4
NetSTM32_?_62: STM32_?.62 TO3.3
NetSTM32_?_81: STM32_?.81 TO1.6
NetSTM32_?_85: STM32_?.85 TO1.5
NetSTM32_?_87: STM32_?.87 TO1.4
NetSTM32_?_88: STM32_?.88 TO1.3
NetSTM32_?_90: STM32_?.90 TO2.4
NetSTM32_?_91: STM32_?.91 TO2.3
NetSTM32_?_100: STM32_?.100 TO5.6
NetSTM32_?_101: STM32_?.101 TO5.5
NetSTM32_?_102: STM32_?.102 TO5.4
NetSTM32_?_112: STM32_?.112 TO4.6
NetSTM32_?_113: STM32_?.113 TO4.5
NetSTM32_?_116: STM32_?.116 TO4.4
NetSTM32_?_117: STM32_?.117 TO4.3
NetSTM32_?_119: STM32_?.119 STM32_?.125
NetSTM32_?_138: STM32_?.138 TO6.6
NetSTM32_?_139: STM32_?.139 TO6.5
NetSTM32_?_140: STM32_?.140 TO6.4
NetSTM32_?_141: STM32_?.141 TO6.3
NetSTM32_?_154: STM32_?.154 TO5.3
VCC_5V: 5V_Supply.2 DT_BL_U_H.6 DT_BL_U_L.6 DT_BL_V_H.6 DT_BL_V_L.6 DT_BL_W_H.6 DT_BL_W_L.6 DT_BR_U_H.6 DT_BR_U_L.6 DT_BR_V_H.6 DT_BR_V_L.6 DT_BR_W_H.6 DT_BR_W_L.6 DT_FL_U_H.6 DT_FL_U_L.6 DT_FL_V_H.6 DT_FL_V_L.6 DT_FL_W_H.6 DT_FL_W_L.6 DT_FR_U_H.6 DT_FR_U_L.6 DT_FR_V_H.6 DT_FR_V_L.6 DT_FR_W_H.6 DT_FR_W_L.6 TO1.16 TO2.16 TO3.16 TO4.16 TO5.16 TO6.16 | length 345.5
  Top Layer w10: DT_FR_U_H.6 1790,3340.31 v2(1790,3470)
VCC_MOTOR: MOSFET_BL_U_H.D MOSFET_BL_V_H.D MOSFET_BL_W_H.D MOSFET_BR_U_H.D MOSFET_BR_V_H.D MOSFET_BR_W_H.D MOSFET_FL_U_H.D MOSFET_FL_V_H.D MOSFET_FL_W_H.D MOSFET_FR_U_H.D MOSFET_FR_V_H.D MOSFET_FR_W_H.D MOTOR_Supply.2 Schottky_diode_BL_U_H.2 Schottky_diode_BL_V_H.2 Schottky_diode_BL_W_H.2 Schottky_diode_BR_U_H.2 Schottky_diode_BR_V_H.2 Schottky_diode_BR_W_H.2 Schottky_diode_FL_U_H.2 Schottky_diode_FL_V_H.2 Schottky_diode_FL_W_H.2 Schottky_diode_FR_U_H.2 Schottky_diode_FR_V_H.2 Schottky_diode_FR_W_H.2 | length 15856
  Top Layer w25: Schottky_diode_FR_U_H.2 1370,4655 1370,4420 1420,4370 1810,4370 v2(1870,4310) v2@1850,4310 ; Schottky_diode_FL_U_H.2 2106.57,1096.57 Schottky_diode_FL_W_H.2 2402.58,1100 2471.98,1030.6 2617.45,1030.6 MOTOR_Supply.2 ; Schottky_diode_FR_U_H.2@1625.55,4899.45 Schottky_diode_FR_W_H.2 ; 4916.15,1573.85 Schottky_diode_BL_W_H.2
  Top Layer w100: MOTOR_Supply.2 2920,1333.15 4843.15,1333.15 4910,1400 v1(4910,1810)
  Bottom Layer w25: MOSFET_FL_U_H.D@1590.24,2770 MOSFET_FL_U_H.D ; v2(1870,4310) 1900,4280 1900,3229.76
  Bottom Layer w100: MOSFET_FL_U_H.D MOSFET_FL_V_H.D@2150,2760.24 ; MOSFET_FR_U_H.D MOSFET_FR_V_H.D MOSFET_FR_W_H.D MOSFET_BR_U_H.D MOSFET_BR_V_H.D MOSFET_BR_W_H.D 4879.76,3229.76 4910,3199.53 4910,2760 ; MOSFET_FL_V_H.D MOSFET_FL_W_H.D@2750,2760.24 ; MOSFET_FL_W_H.D MOSFET_BL_U_H.D@3350,2760.24 ; MOSFET_BL_U_H.D MOSFET_BL_V_H.D@3950,2760.24 ; MOSFET_BL_V_H.D@4050,2760.24 MOSFET_BL_W_H.D 4600.24,2760 4910,2760 ; v1(4910,1810) 4910,2760
VCC_SERVO: Back_Left_?.2 Back_Right_?.2 Front_Left_?.2 Front_Right_?.2 Servo_Supply.2
pads on no net: ANYFC_F7.7 ANYFC_F7.8 Back_Left_Encoder.7 Back_Left_Encoder.8 Back_Right_Encoder.7 Back_Right_Encoder.8 Front_Left_Encoder.7 Front_Left_Encoder.8 Front_Right_Encoder.7 Front_Right_Encoder.8 J?.1 J?.4 J?.MH1 J?.MH2 J?.Shell STM32_?.2 STM32_?.7 STM32_?.8 STM32_?.9 STM32_?.10 STM32_?.11 STM32_?.12 STM32_?.13 STM32_?.16 STM32_?.17 STM32_?.18 STM32_?.19 STM32_?.20 STM32_?.21 STM32_?.22 STM32_?.23 STM32_?.24 STM32_?.31 STM32_?.35 STM32_?.38 STM32_?.43 STM32_?.46 STM32_?.47 STM32_?.49 STM32_?.57 STM32_?.58 STM32_?.64 STM32_?.65 STM32_?.66 STM32_?.67 STM32_?.68 STM32_?.69 STM32_?.70 STM32_?.71 STM32_?.74 STM32_?.75 STM32_?.76 STM32_?.77 STM32_?.78 STM32_?.79 STM32_?.80 STM32_?.84 STM32_?.86 STM32_?.89 STM32_?.95 STM32_?.97 STM32_?.98 STM32_?.106 STM32_?.107 STM32_?.108 STM32_?.109 STM32_?.110 STM32_?.111 STM32_?.120 STM32_?.121 STM32_?.123 STM32_?.124 STM32_?.126 STM32_?.127 STM32_?.129 STM32_?.130 STM32_?.131 STM32_?.132 STM32_?.133 STM32_?.134 STM32_?.135 STM32_?.142 STM32_?.143 STM32_?.144 STM32_?.147 STM32_?.151 STM32_?.152 STM32_?.153 STM32_?.155 STM32_?.156 STM32_?.157 STM32_?.159 STM32_?.163 STM32_?.164 STM32_?.165 STM32_?.166 STM32_?.167 STM32_?.168 STM32_?.169 STM32_?.172 STM32_?.174 STM32_?.175 STM32_?.176 STM32_?.177 STM32_?.179 STM32_?.181 STM32_?.182 STM32_?.183 STM32_?.186 STM32_?.187 STM32_?.188 STM32_?.189 STM32_?.190 STM32_?.191 STM32_?.196 STM32_?.198 STM32_?.199 STM32_?.200 STM32_?.201 STM32_?.203 STM32_?.205 STM32_?.206 STM32_?.207 STM32_?.208 TO1.7 TO1.10 TO2.7 TO2.10 TO3.7 TO3.10 TO4.7 TO4.10 TO5.7 TO5.10 TO6.7 TO6.10 Transistor_Buzzer.3 Transistor_Buzzer.4 Transistor_Buzzer.5

## Polygon pours and split planes (outlines as drawn)
no net on Internal Plane 1 (split plane): 6979.9,1020.1 1020.1,1020.1 1020.1,4979.9 6979.9,4979.9
no net on Internal Plane 2 (split plane): 6979.9,1020.1 1020.1,1020.1 1020.1,4979.9 6979.9,4979.9

## Silkscreen, mask and mechanical layers (free items; w line width, h text height)
Top Overlay:
  text "MK_ESC ver 1.0" at 3620,5790 h60
  text "PW" at 5090,5670 h160 r270
  text "Designed by" at 3830,5530 h60
  text "Marek Knosala" at 3990,5230 h60
  text "Y" at 1430,4860 h60
  text "Y" at 6530,4860 h60
  text "R" at 6540,4470 h60
  text "R" at 1430,4460 h60
  text "R22" at 5620,4430 h60
  text "C" at 2530,4380 h60
  text "R" at 2830,4380 h60
  text "C" at 3100,4370 h60
  text "R" at 3390,4370 h60
  text "C" at 3660,4370 h60
  text "R" at 3950,4370 h60
  text "BR" at 6560,4300 h60
  text "FR" at 1330,4280 h60
  text "PNP_Buzzer" at 5660,3890 h60
  text "-" at 1240,3870 h60
  text "S" at 6740,3870 h60
  text "+" at 1240,3770 h60
  text "+" at 6740,3760 h60
  text "R10k" at 6140,3750 h60
  text "S" at 1240,3660 h60
  text "-" at 6740,3660 h60
  text "2u2F" at 6460,3200 h60
  text "10nF" at 5800,3190 h60
  text "10uF" at 6130,3190 h60
  text "100nF" at 5100,3180 h60
  text "KNR" at 7620,3060 h160 r300
  text "MEiL" at 6930,2960 h120 r90
  text "Selfie v5" at 2430,2940 h130
  text "2u2F / ESR" at 6630,2530 h60
  text "Warszawska" at 1320,2480 h100 r90
  text "Politechnika" at 1170,2430 h100 r90
  text "-" at 1230,2280 h60
  text "S" at 6740,2270 h60
  text "+" at 1230,2180 h60
  text "+" at 6740,2160 h60
  text "S" at 1230,2070 h60
  text "-" at 6740,2060 h60
  text "BL" at 6570,1650 h60
  text "FL" at 1330,1640 h60
  text "Y" at 6530,1470 h60
  text "Y" at 1430,1460 h60
  text "5-7V" at 3030,1330 h60
  text "16V / MOTOR" at 2290,1220 h60
  text "SERVO" at 2990,1220 h60
  text "5V / MOSFET" at 3620,1220 h60
  text "3V3 / STM32" at 4330,1220 h60
  text "R" at 6530,1070 h60
  text "R" at 1430,1060 h60
Bottom Overlay:
  text "R_PNP_NPN" at 5380,3020 h60 r180
  text "Mosfets" at 4720,2800 h60 r270
  text "Opto-isolators" at 6830,2610 h60 r270